# Altium PCB mppt.PcbDoc (part 1 of 2)
Units mil, origin at the board's own origin, x right, y up, seen from the top; angles counter-clockwise.
Board outline 7000 x 4895 mil, 4 copper layers (Top Layer, Layer 1, Layer 2, Bottom Layer), stack 23.756 mil thick; 204 components, 84 nets, 538 pads, 132 vias.
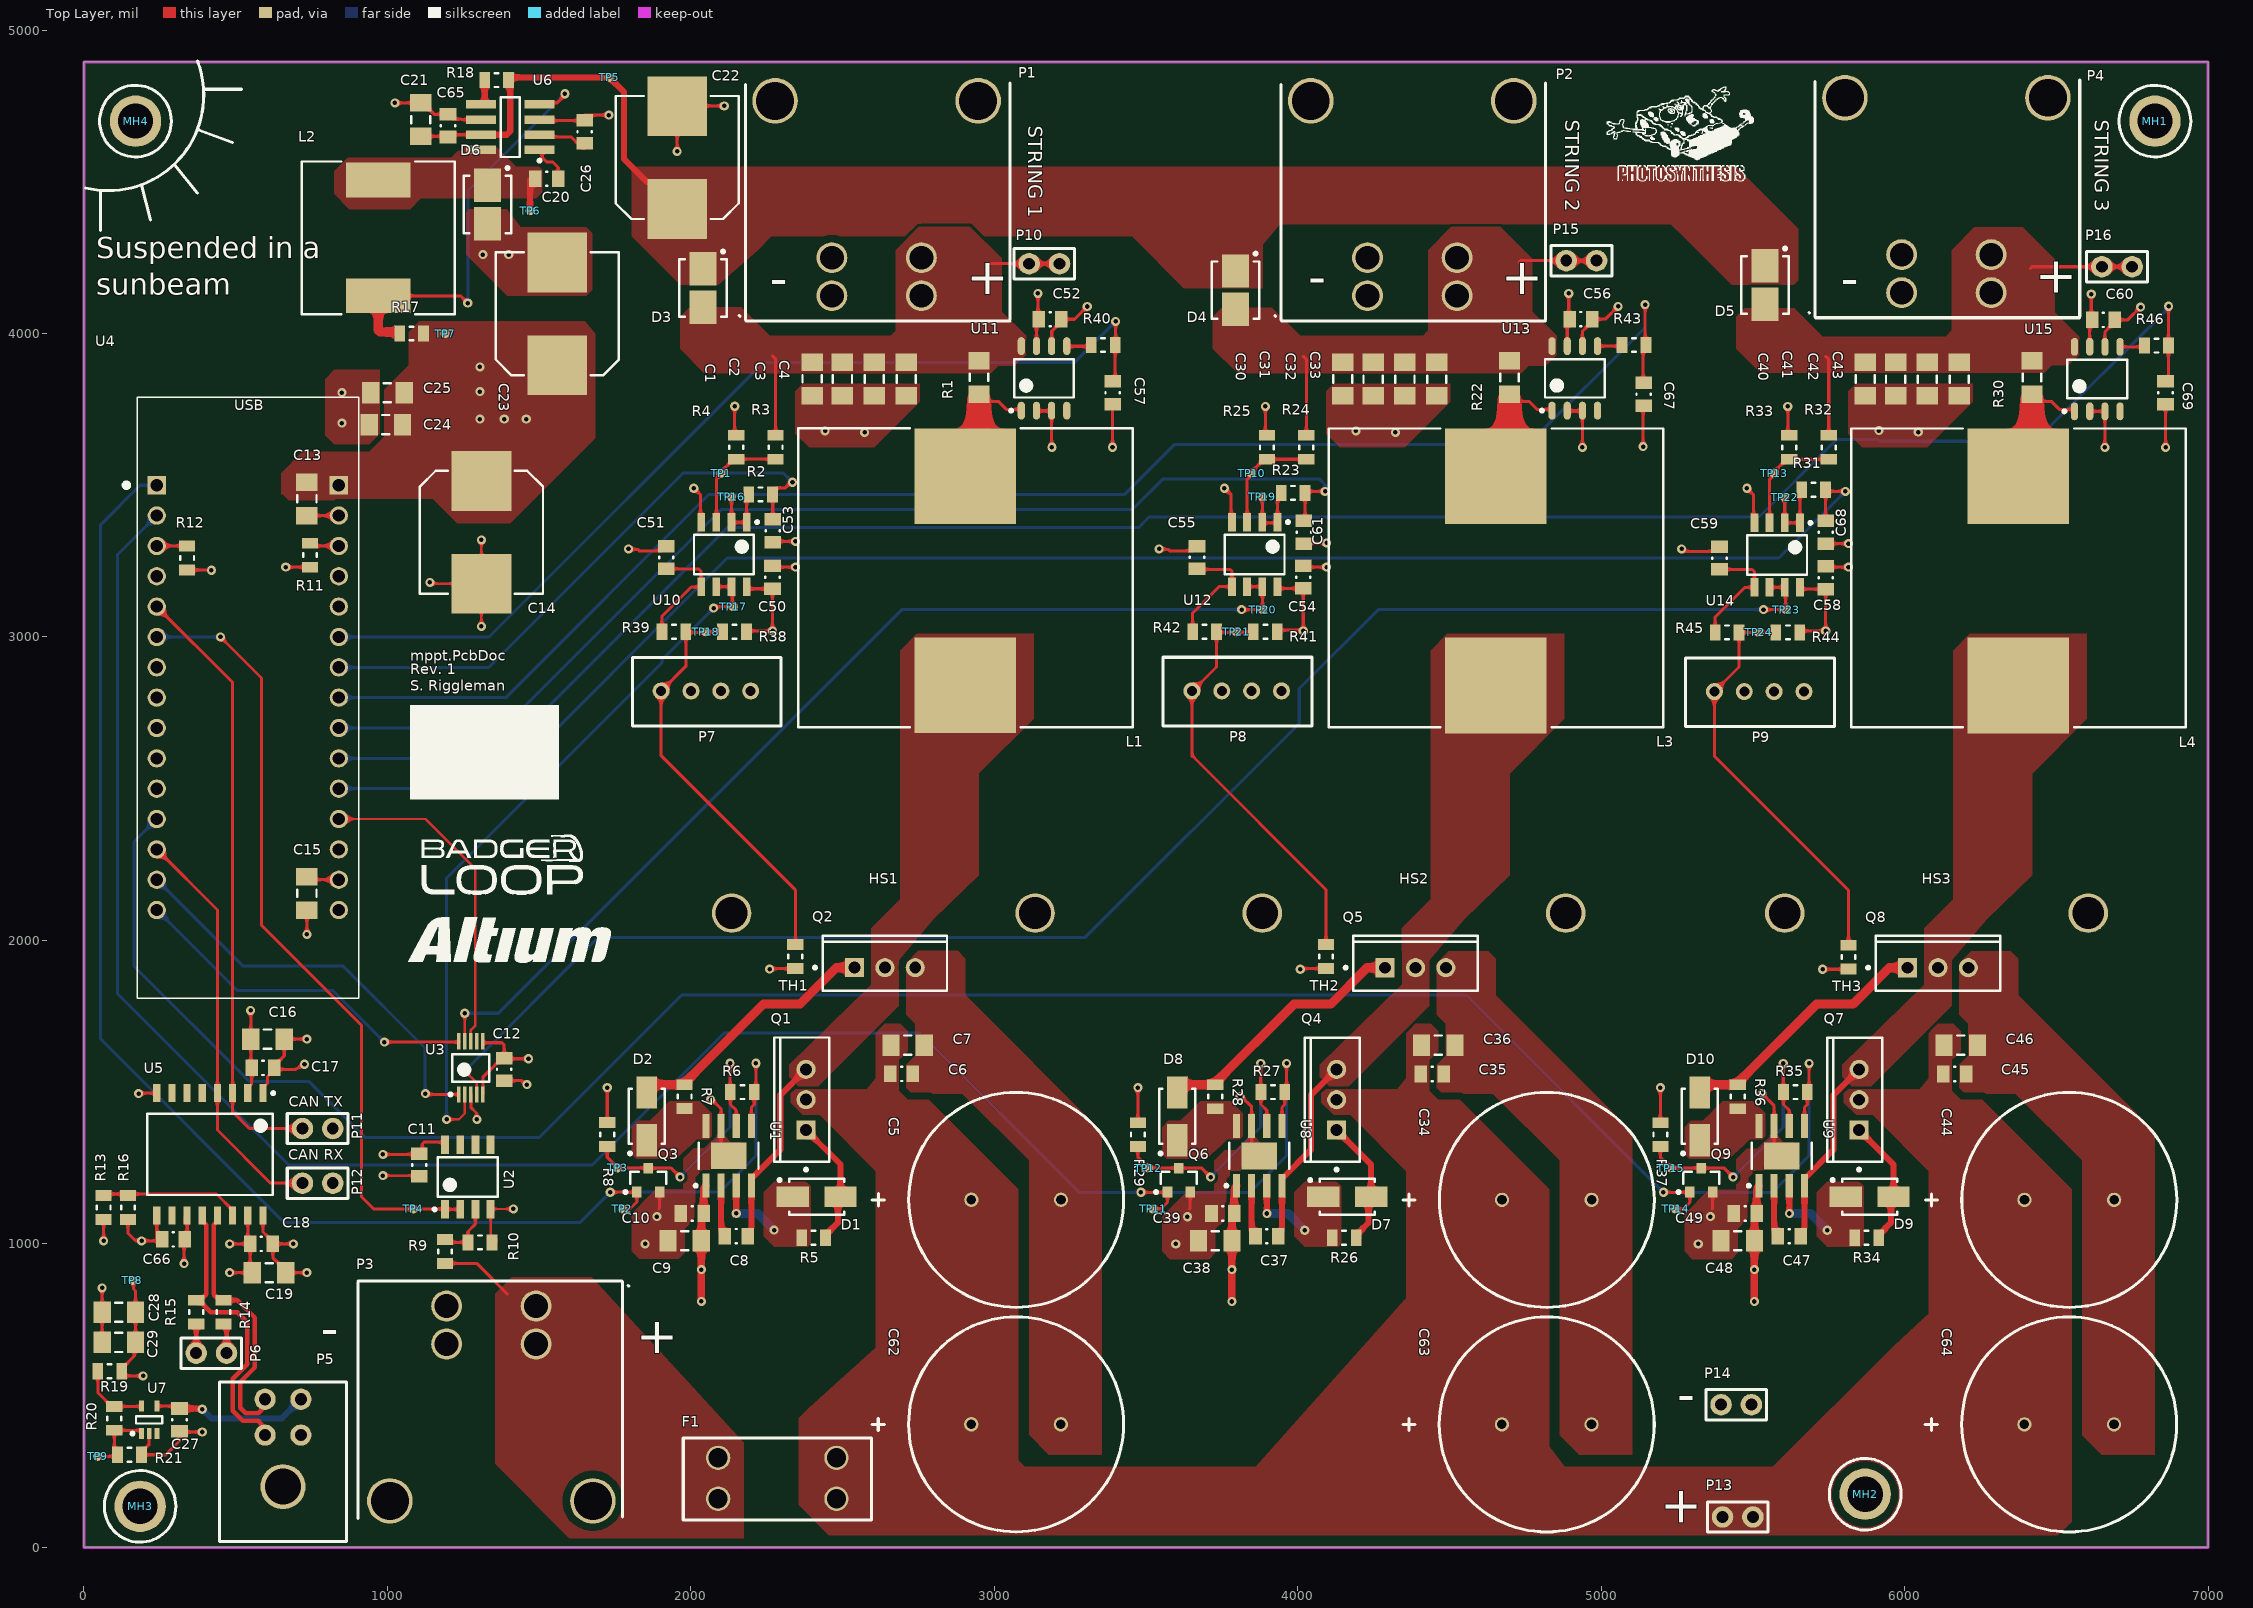
[diagram p0: Top Layer view]
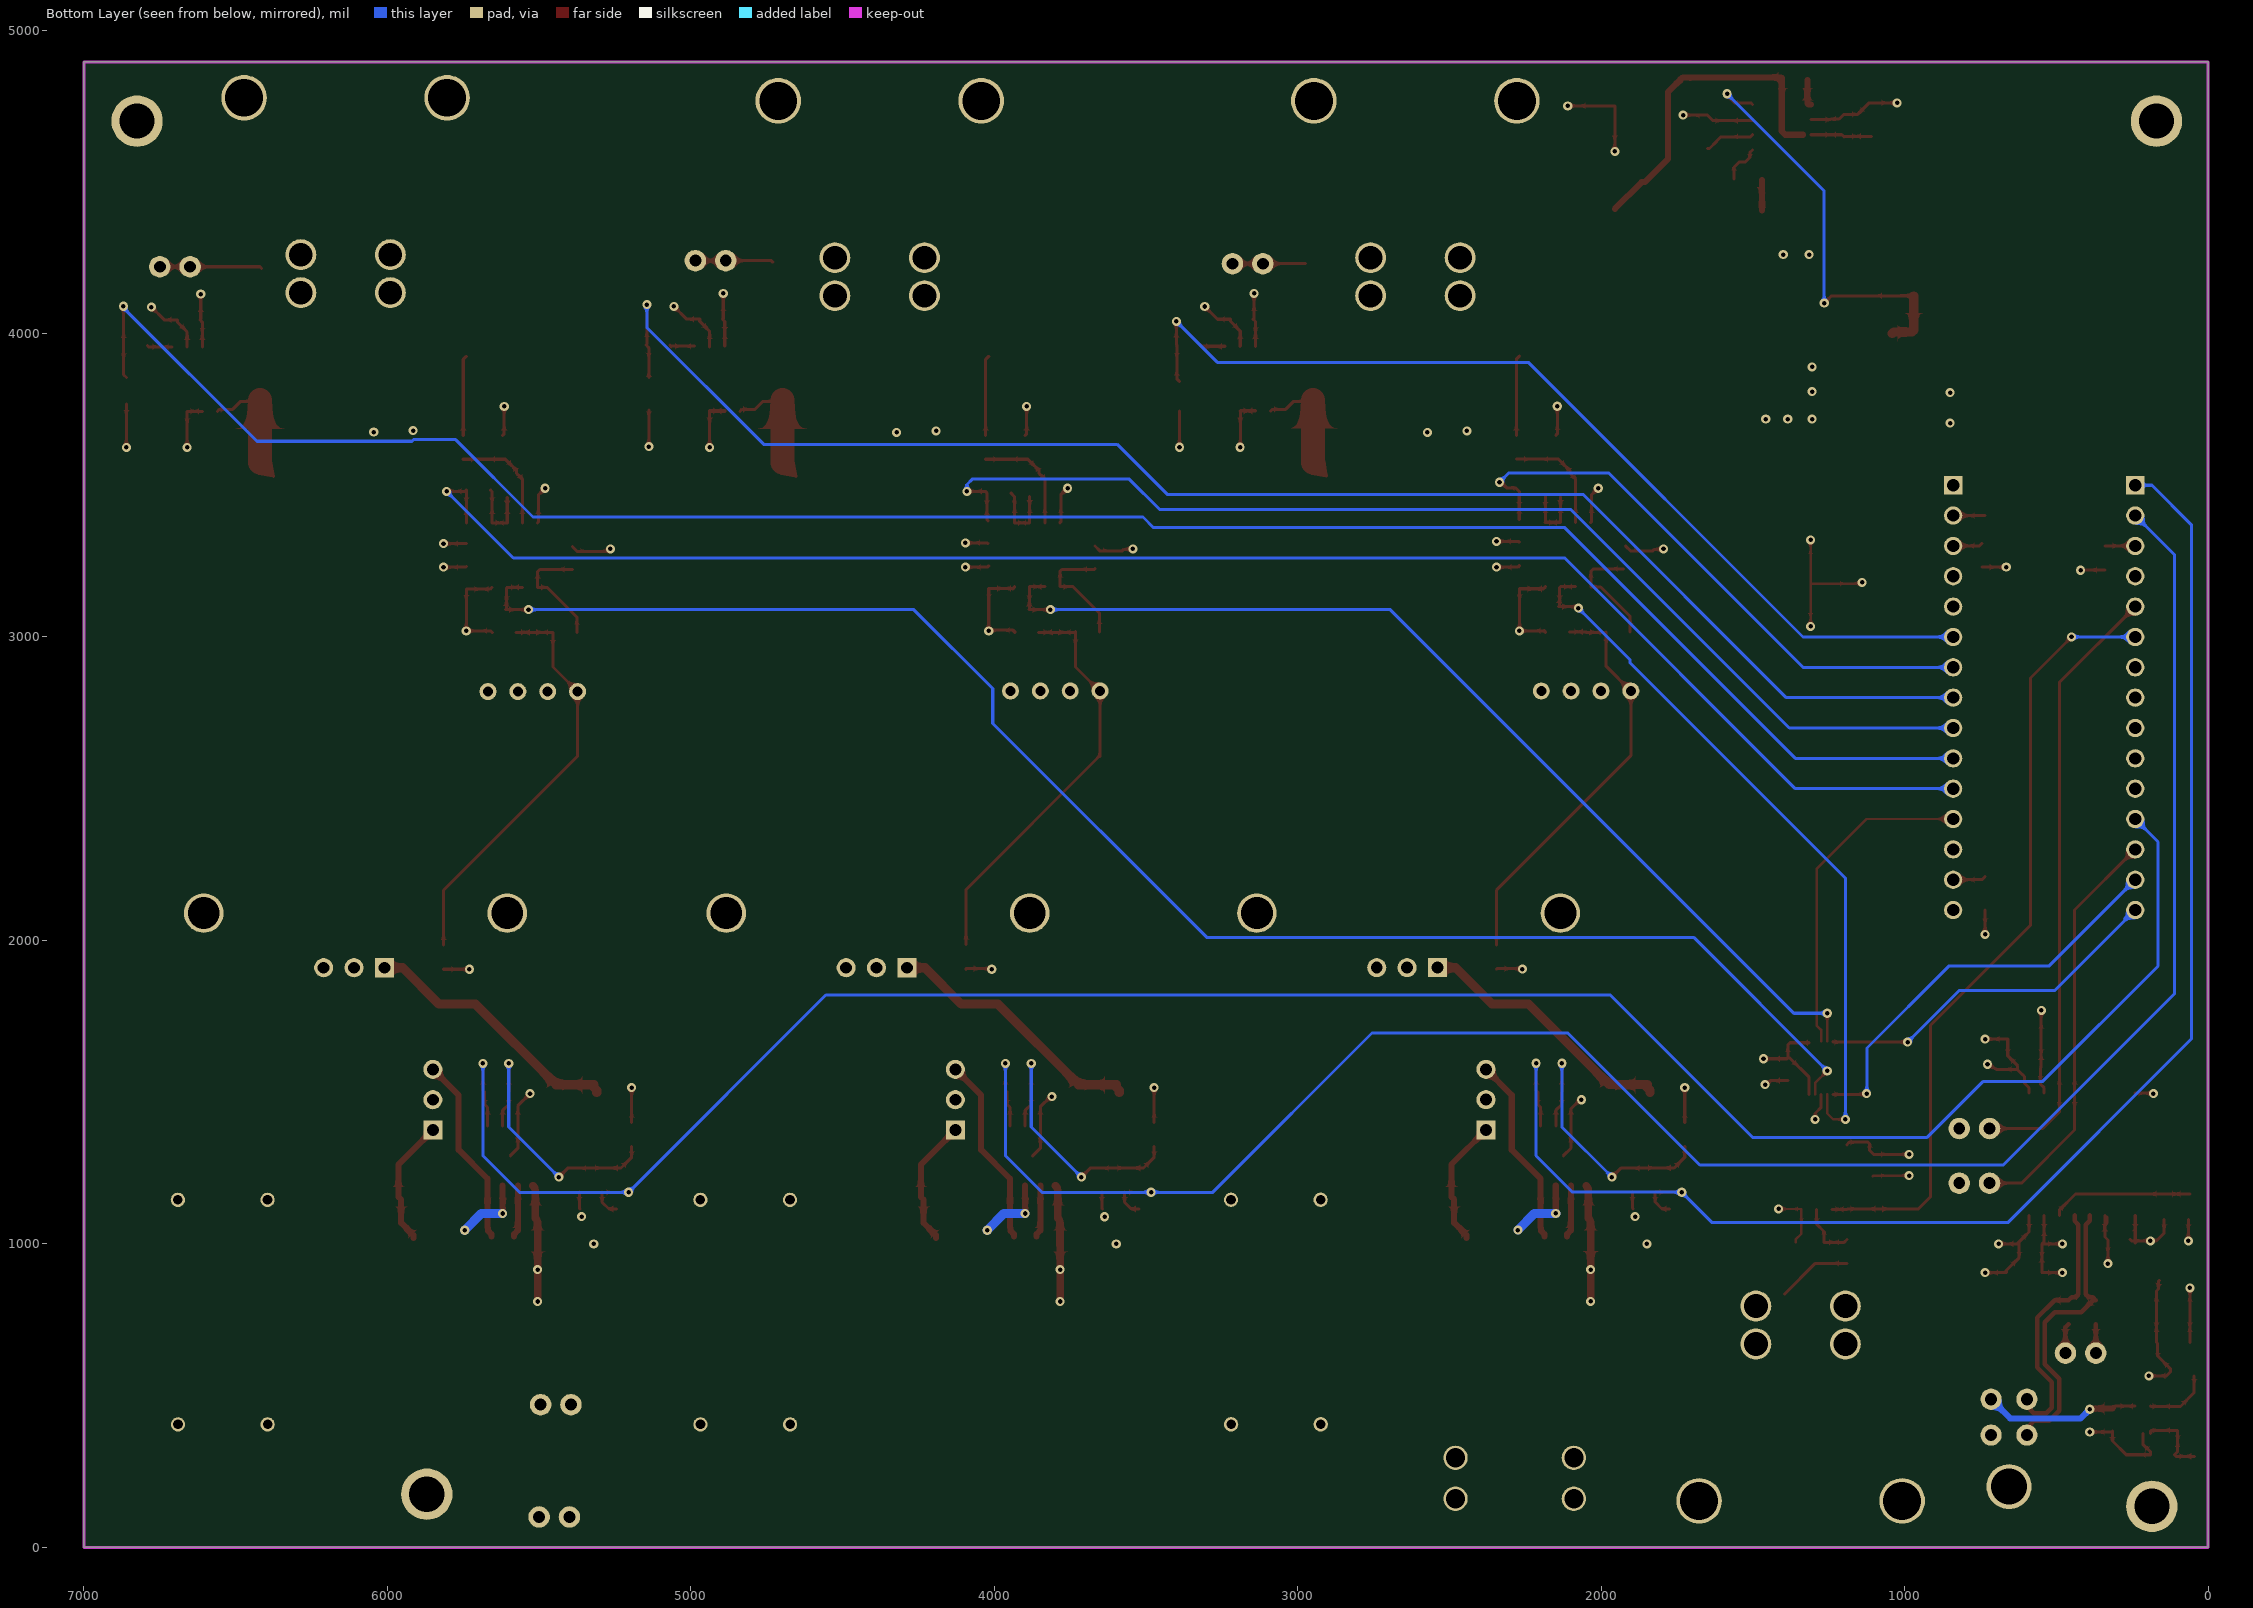
[diagram p1: Bottom Layer view, seen from below]
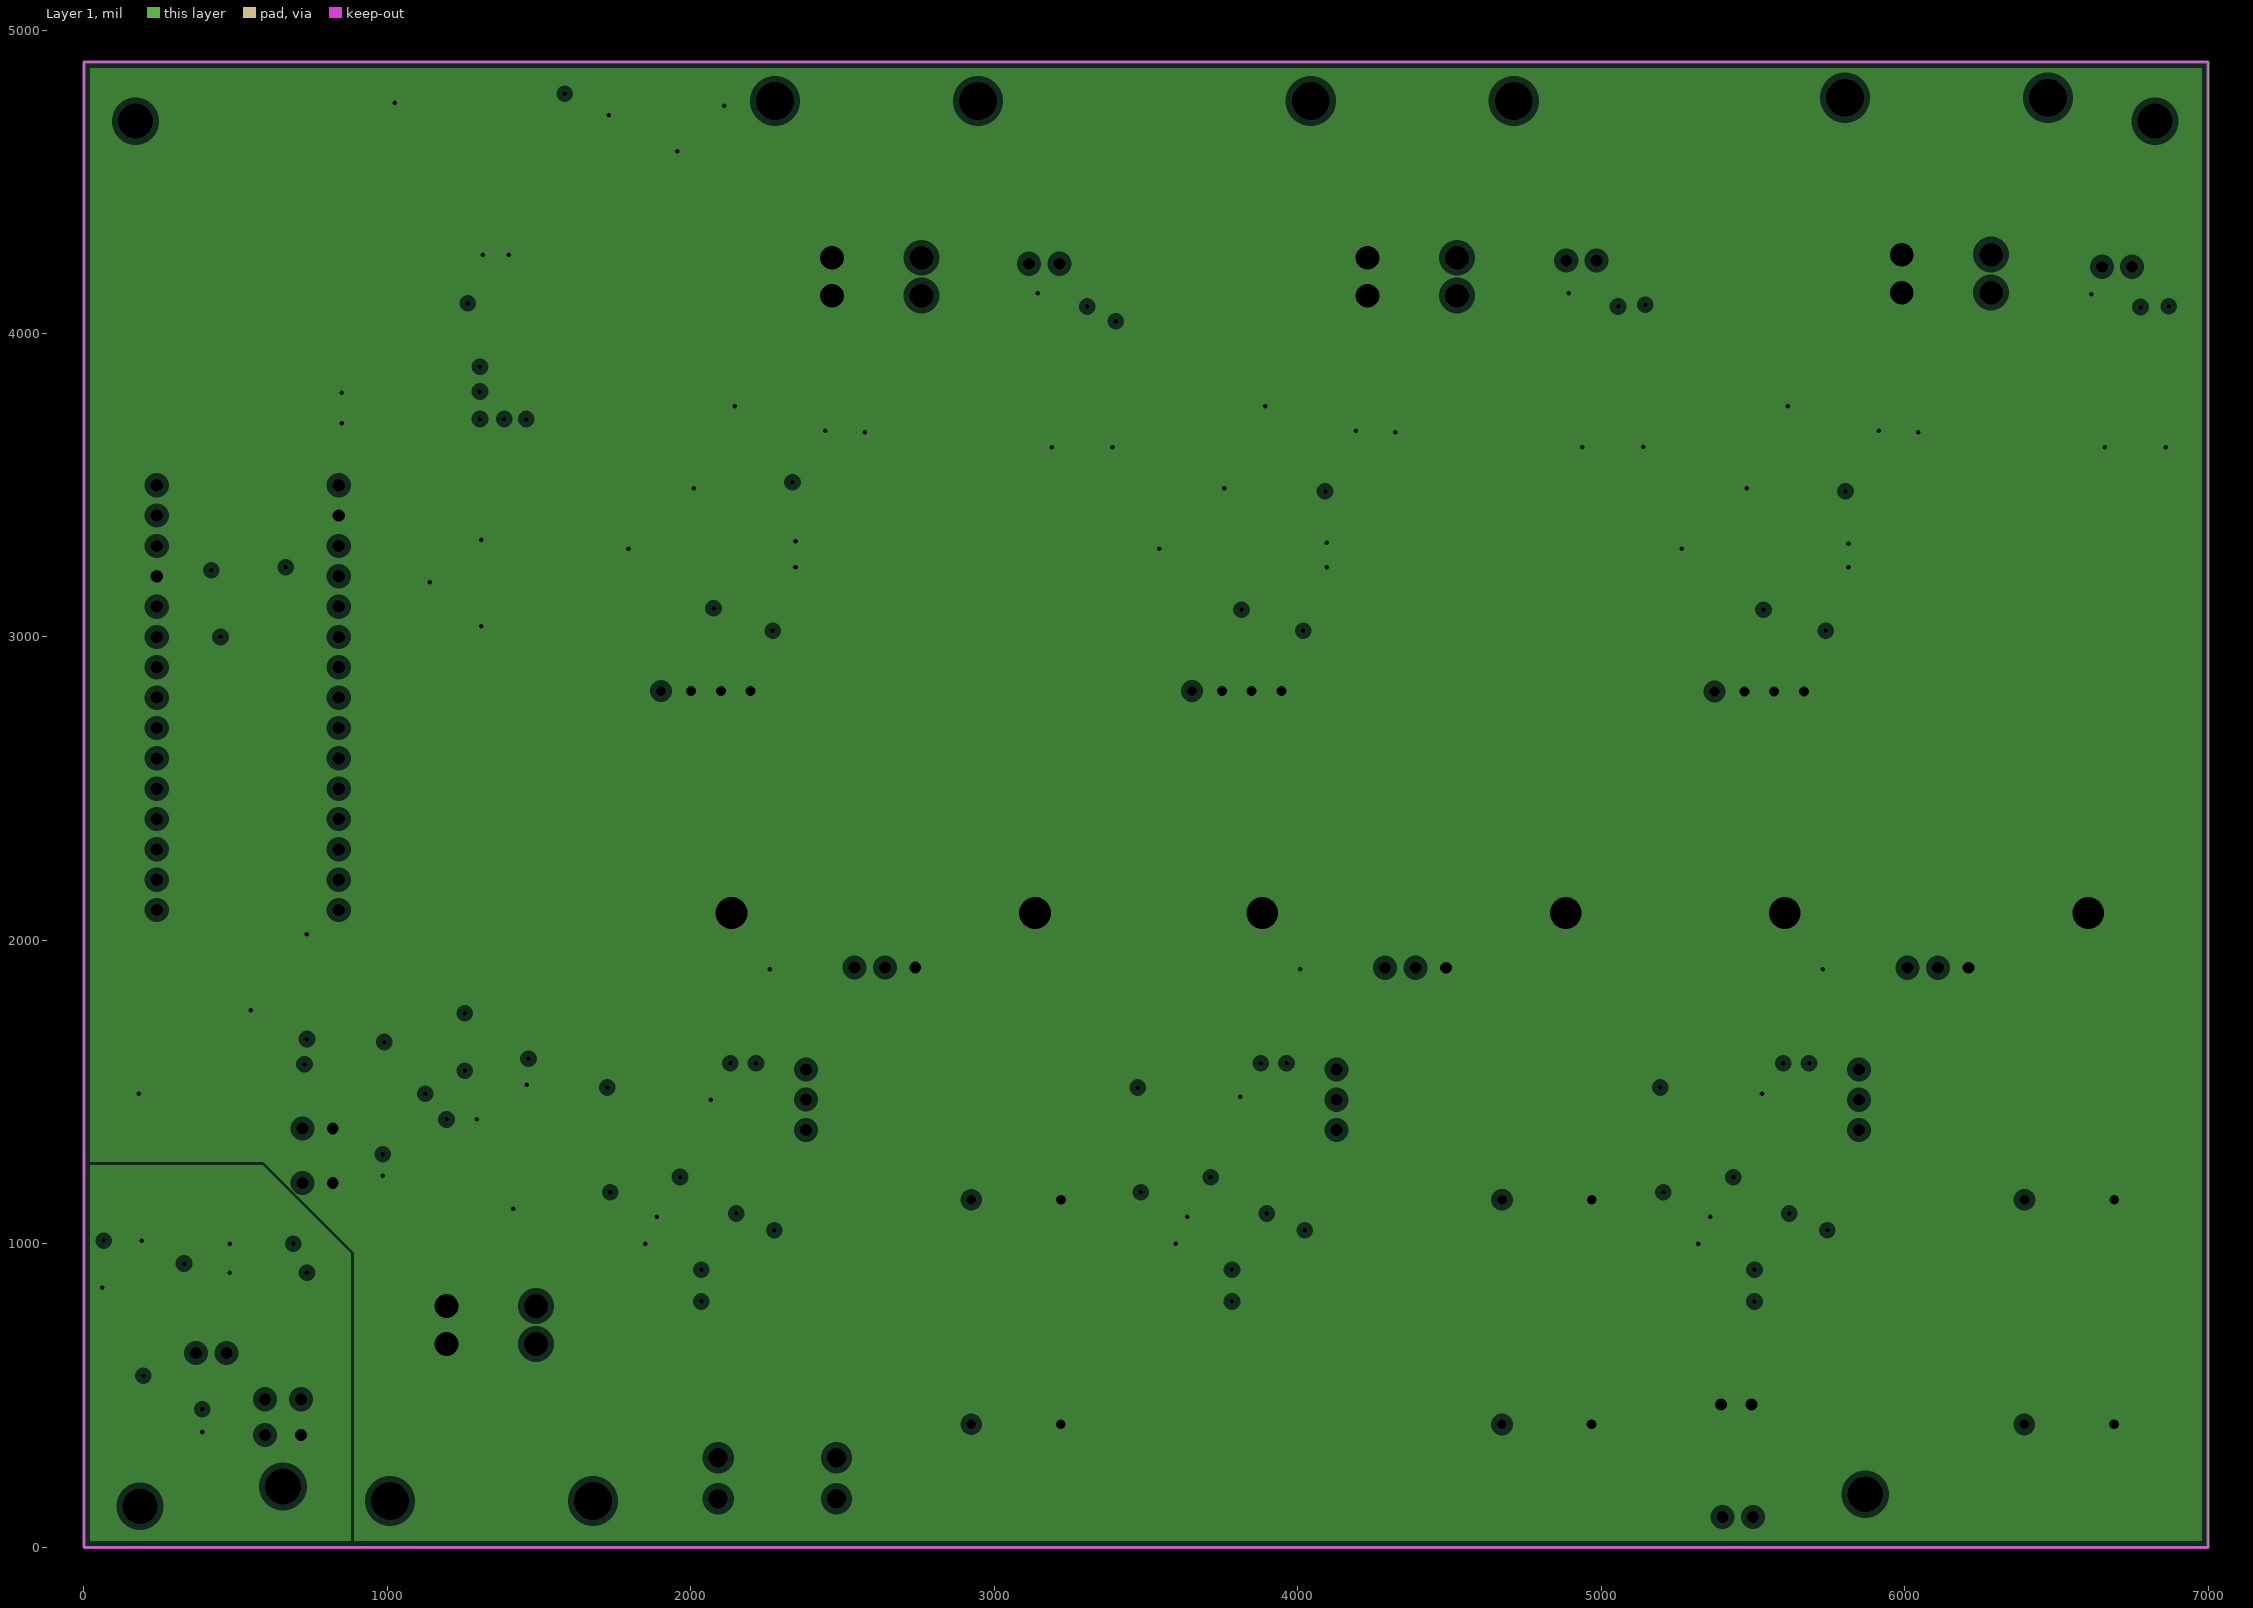
[diagram p2: Layer 1, clearances drawn from the general rule]
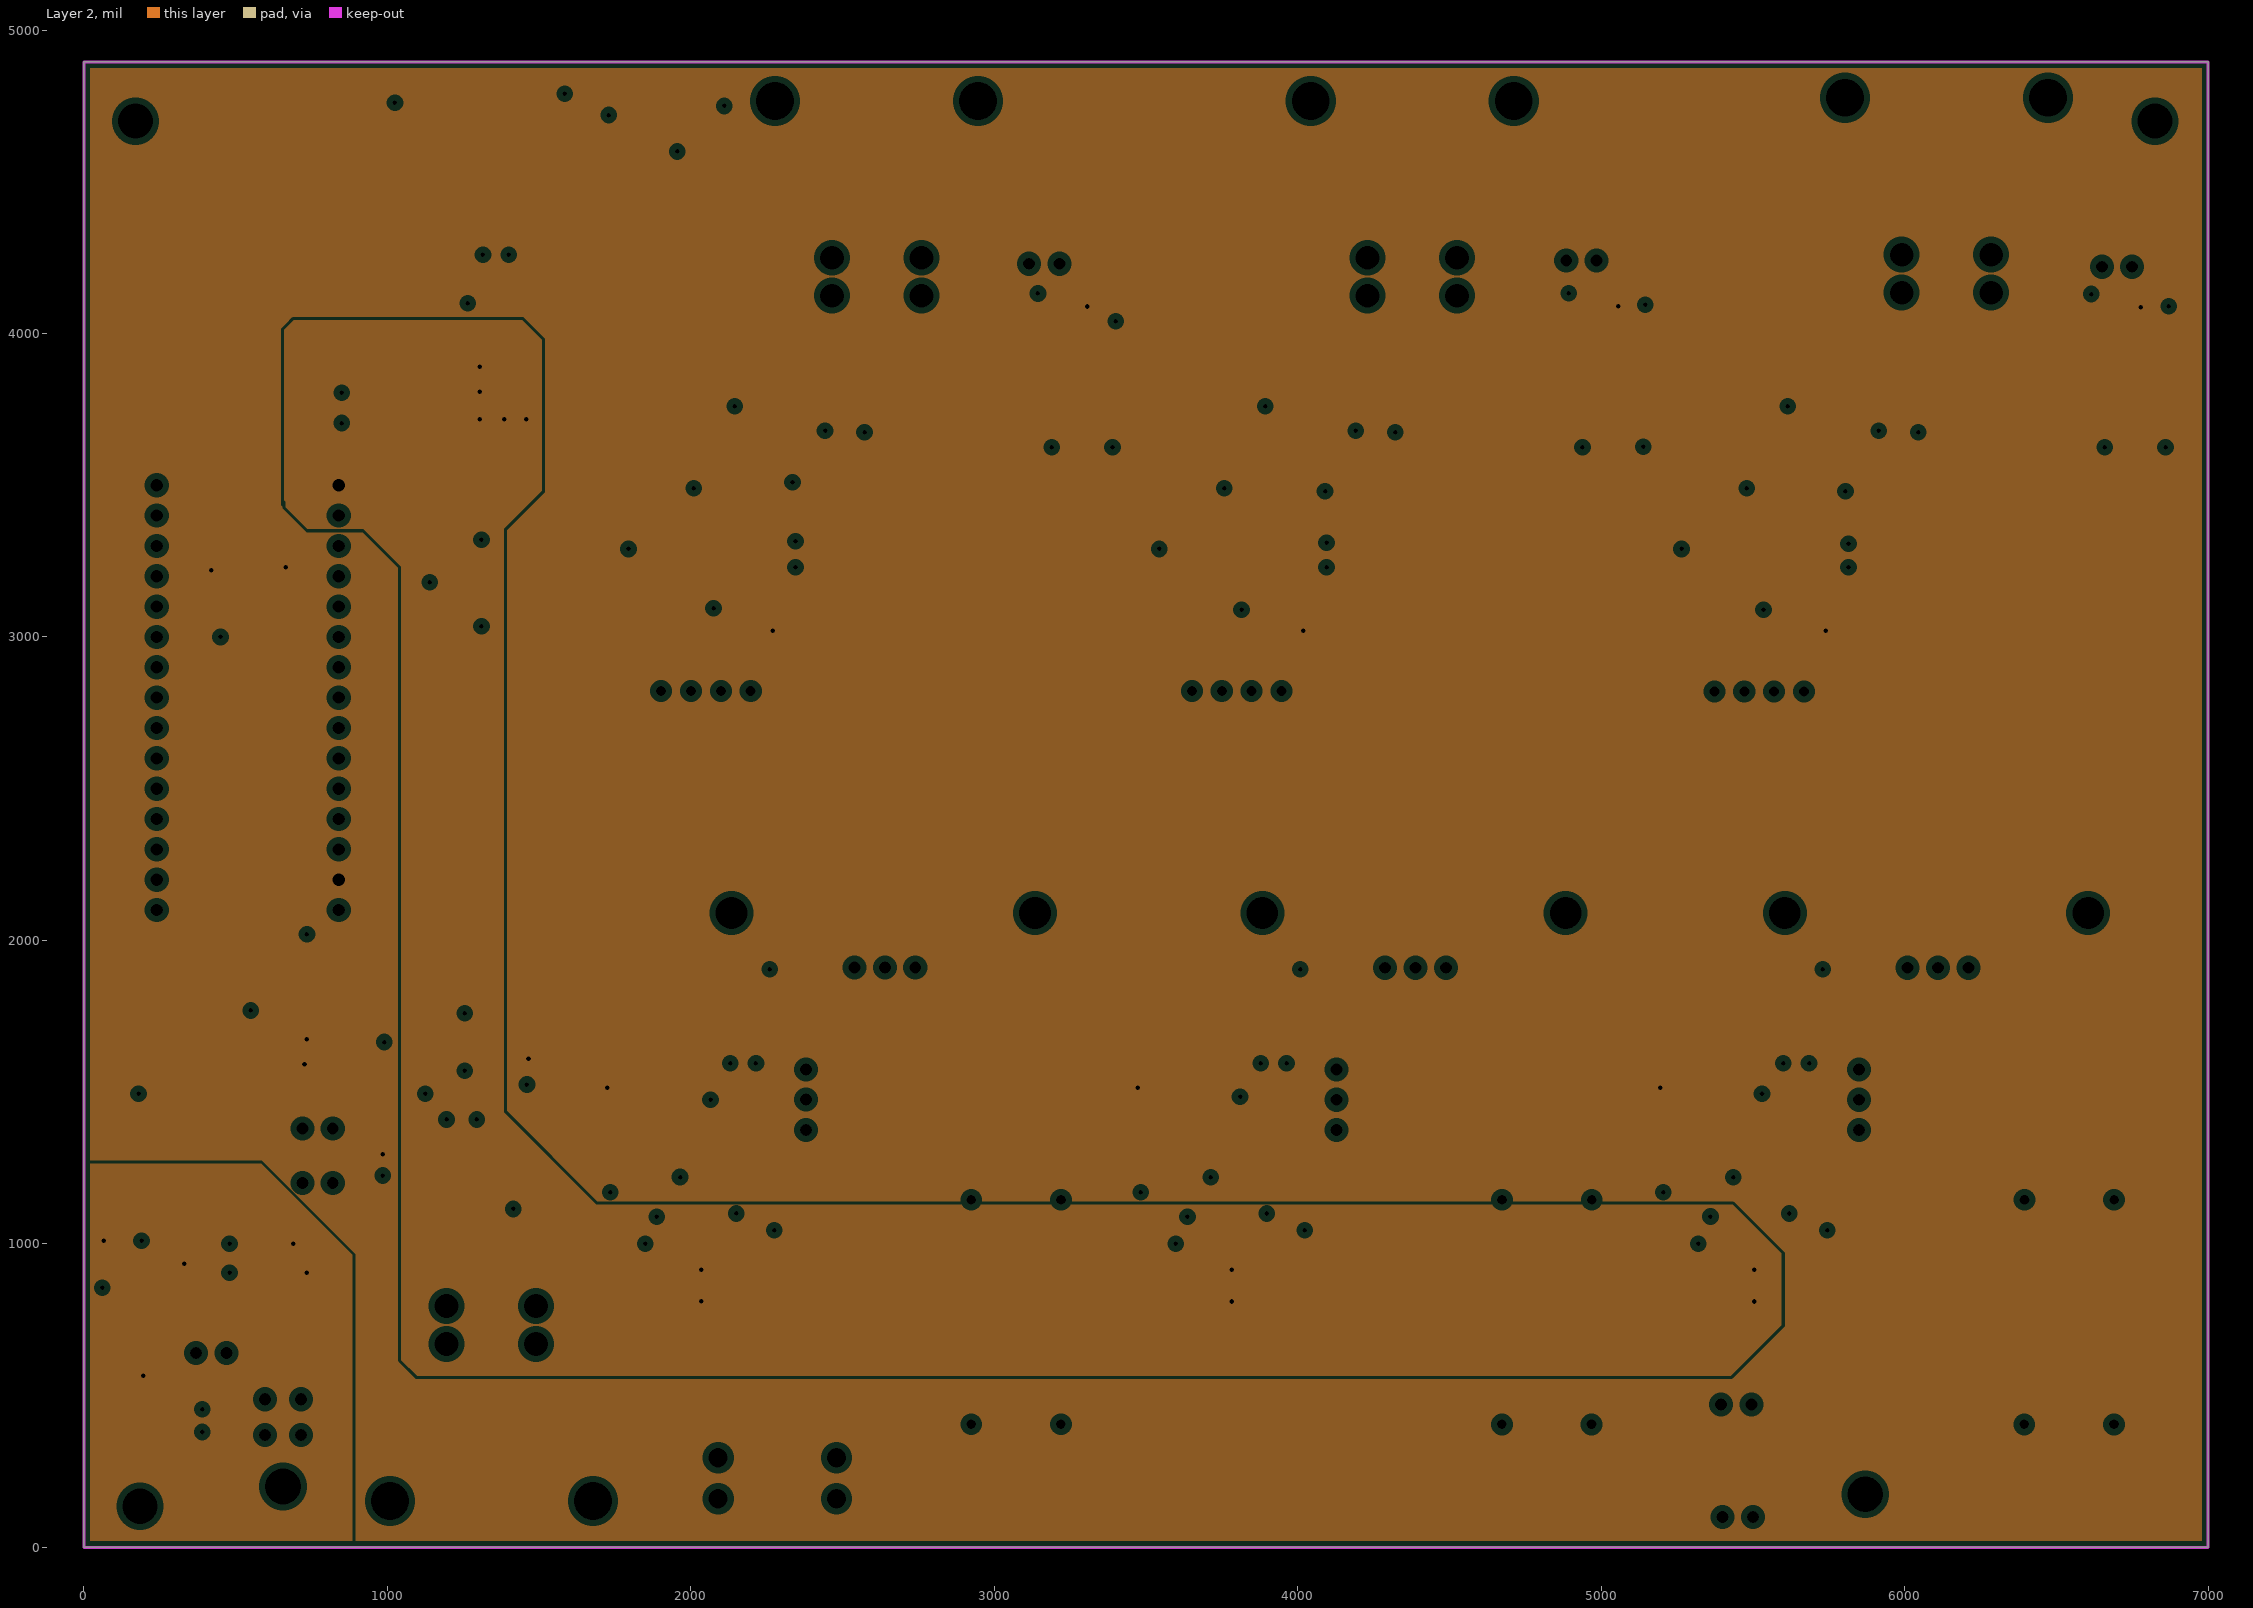
[diagram p3: Layer 2, clearances drawn from the general rule]
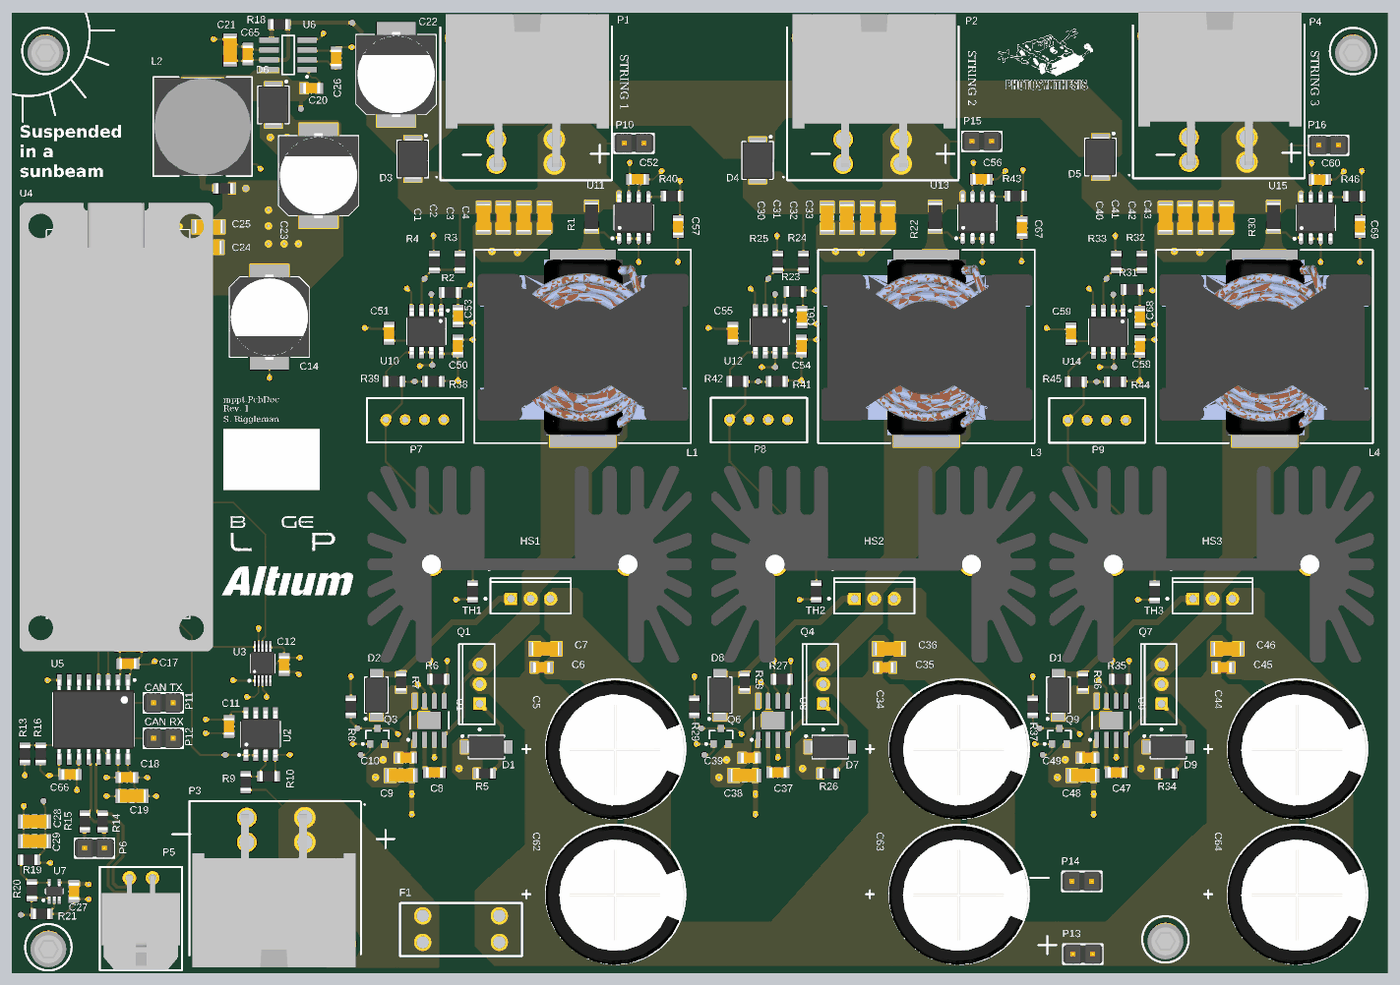
[diagram p5: 3D render of the assembled board from above, using the file's embedded part models]

## Layer stack, top to bottom
Top Solder: solder mask 0.4, Solder Resist, Dk 3.5
Top Layer: signal copper 1.4
Dielectric 2: prepreg 2.8, PP-006, Dk 4.1
Layer 1: plane copper 1.378, net (Multiple Nets)
Dielectric 1: dielectric 12.6, FR-4, Dk 4.8
Layer 2: plane copper 1.378, net (Multiple Nets)
Dielectric 3: prepreg 2.8, PP-006, Dk 4.1
Bottom Layer: signal copper 1.4
Bottom Solder: solder mask 0.4, Solder Resist, Dk 3.5

## Board outline
0,0 7000,0 7000,4895 0,4895

## Design rules (kind name [scope] priority, off if disabled: settings)
Clearance HV_60V_Clearence [InNetClass('HV_60V') vs (NOT InNetClass('HV_60V')) AND (NOT InNetClass('HV_115V'))] p1: gap=24 ignorepadtopadclearanceinfootprint=TRUE except(0: Arc-Hole Track-Hole SMDPad-Hole THPad-Hole Via-Hole Fill-Hole Poly-Hole Region-Hole Text-Hole; 10: Arc-Text Track-Text SMDPad-Text THPad-Text Via-Text Fill-Text Poly-Text Region-Text Text-Text)
Clearance HV_115V_Clearence [InNetClass('HV_115V') vs NOT InNetClass('HV_115V')] p2: gap=24 ignorepadtopadclearanceinfootprint=TRUE except(0: Arc-Hole Track-Hole SMDPad-Hole THPad-Hole Via-Hole Fill-Hole Poly-Hole Region-Hole Text-Hole; 10: Arc-Text Track-Text SMDPad-Text THPad-Text Via-Text Fill-Text Poly-Text Region-Text Text-Text)
Clearance [All] p3: gap=10 ignorepadtopadclearanceinfootprint=TRUE except(0: Arc-Hole Track-Hole SMDPad-Hole THPad-Hole Via-Hole Fill-Hole Poly-Hole Region-Hole Text-Hole; 8: Arc-SMDPad Track-SMDPad)
DiffPairsRouting [All] p1: maxlimit=10 minlimit=10 mostfreqgap=10 toplayer_minwidth=15 toplayer_maxwidth=15 toplayer_prefwidth=15 bottomlayer_minwidth=15 bottomlayer_maxwidth=15 bottomlayer_prefwidth=15 maxuncoupledlength=500
Height [All] p1: minheight=0 maxheight=2000 prefheight=500
HoleSize [All] p1: absolutevalues=TRUE maxlimit=200 minlimit=1 maxpercent=80.000 minpercent=20.000
PlaneClearance [All] p1: clearance=20
PlaneConnect [All] p1: planeconnectstyle=Relief reliefexpansion=20 reliefentries=4 reliefconductorwidth=10 reliefairgap=10
PolygonConnect [All] p1: connectstyle=Direct reliefconductorwidth=10 reliefentries=4 polygonreliefangle="90 Angle" airgapwidth=10
RoomDefinition U_boost_converter_telem2 [InComponentClass('U_boost_converter_telem2')] p1: confinementstyle=ConfineIn formatcopy=TRUE lockcomponents=FALSE outline 3538.16,1867.2 5198.16,1867.2 5198.16,4097.2 3538.16,4097.2
RoomDefinition U_boost_converter_telem1 [InComponentClass('U_boost_converter_telem1')] p2: confinementstyle=ConfineIn formatcopy=TRUE lockcomponents=FALSE outline 1789,1867 3449,1867 3449,4097 1789,4097
RoomDefinition STRING3 [InComponentClass('STRING3')] p3: confinementstyle=ConfineIn formatcopy=TRUE lockcomponents=FALSE outline 5145,35 6950,35 6950,4310 5145,4310
RoomDefinition U_boost_converter_telem3 [InComponentClass('U_boost_converter_telem3')] p4: confinementstyle=ConfineIn formatcopy=TRUE lockcomponents=FALSE outline 5260,1865 6920,1865 6920,4095 5260,4095
RoomDefinition STRING2 [InComponentClass('STRING2')] p5: confinementstyle=ConfineIn formatcopy=TRUE lockcomponents=FALSE outline 3424.8,1282.09 3424.8,1437.91 3523.31,1437.91 3523.31,1565.89 3548.19,1565.89 3548.19,2595.39 3819.19,2595.39 3819.19,3569 3849.8,3569 3849.8,3702.91 4081.18,3702.91 4081.18,3732.56 4091.93,3732.56 4091.93,3955.59 4641.93,3955.59 4641.93,3960.47 4820,3960.47 4820,4305 5050,4305 5050,3732.56 5225.2,3732.56 5225.2,2657.44 5218.19,2657.44 5218.19,1575.39 5190.16,1575.39 5190.16,775.67 5189.88,775.67 5189.88,35.67 4331.22,35.67 4331.22,953.74 3622.72,953.74 3622.72,1086 3494.19,1086 3494.19,1221 3479.19,1221 3479.19,1282.09
RoomDefinition STRING1 [InComponentClass('STRING1')] p6: confinementstyle=ConfineIn formatcopy=TRUE lockcomponents=FALSE outline 1675,35 3480,35 3480,4295 1675,4295
RoutingVias [All] p1: holewidth=15 width=30 viastyle="Through Hole" minholewidth=15 minwidth=30 maxholewidth=15 maxwidth=30
SilkToSilkClearance [All] p1: silktosilkclearance=0
SilkToSolderMaskClearance [IsPad] p1: minsilkscreentomaskgap=0 clearancetoexposedcopper=TRUE
SolderMaskExpansion [All] p1: expansion=4 istentingtop=FALSE
Width [All] p1: maxlimit=100 minlimit=8 preferedwidth=10 minimp=50.000000 maximp=50.000000 favimp=50.000000
23 further rules are at their usual default settings.
